# Altium PCB CONTROLLER.PcbDoc (part 4 of 4)
Units mm, origin at the board's own origin, x right, y up, seen from the top; angles counter-clockwise.
Board outline 104 x 83 mm, 6 copper layers (Component Side, Ground Plane (GND), Inner Layer 1, Inner Layer 2, Power Plane (VCC), Solder Side), stack 1.297 mm thick; 390 components, 384 nets, 1561 pads, 757 vias.
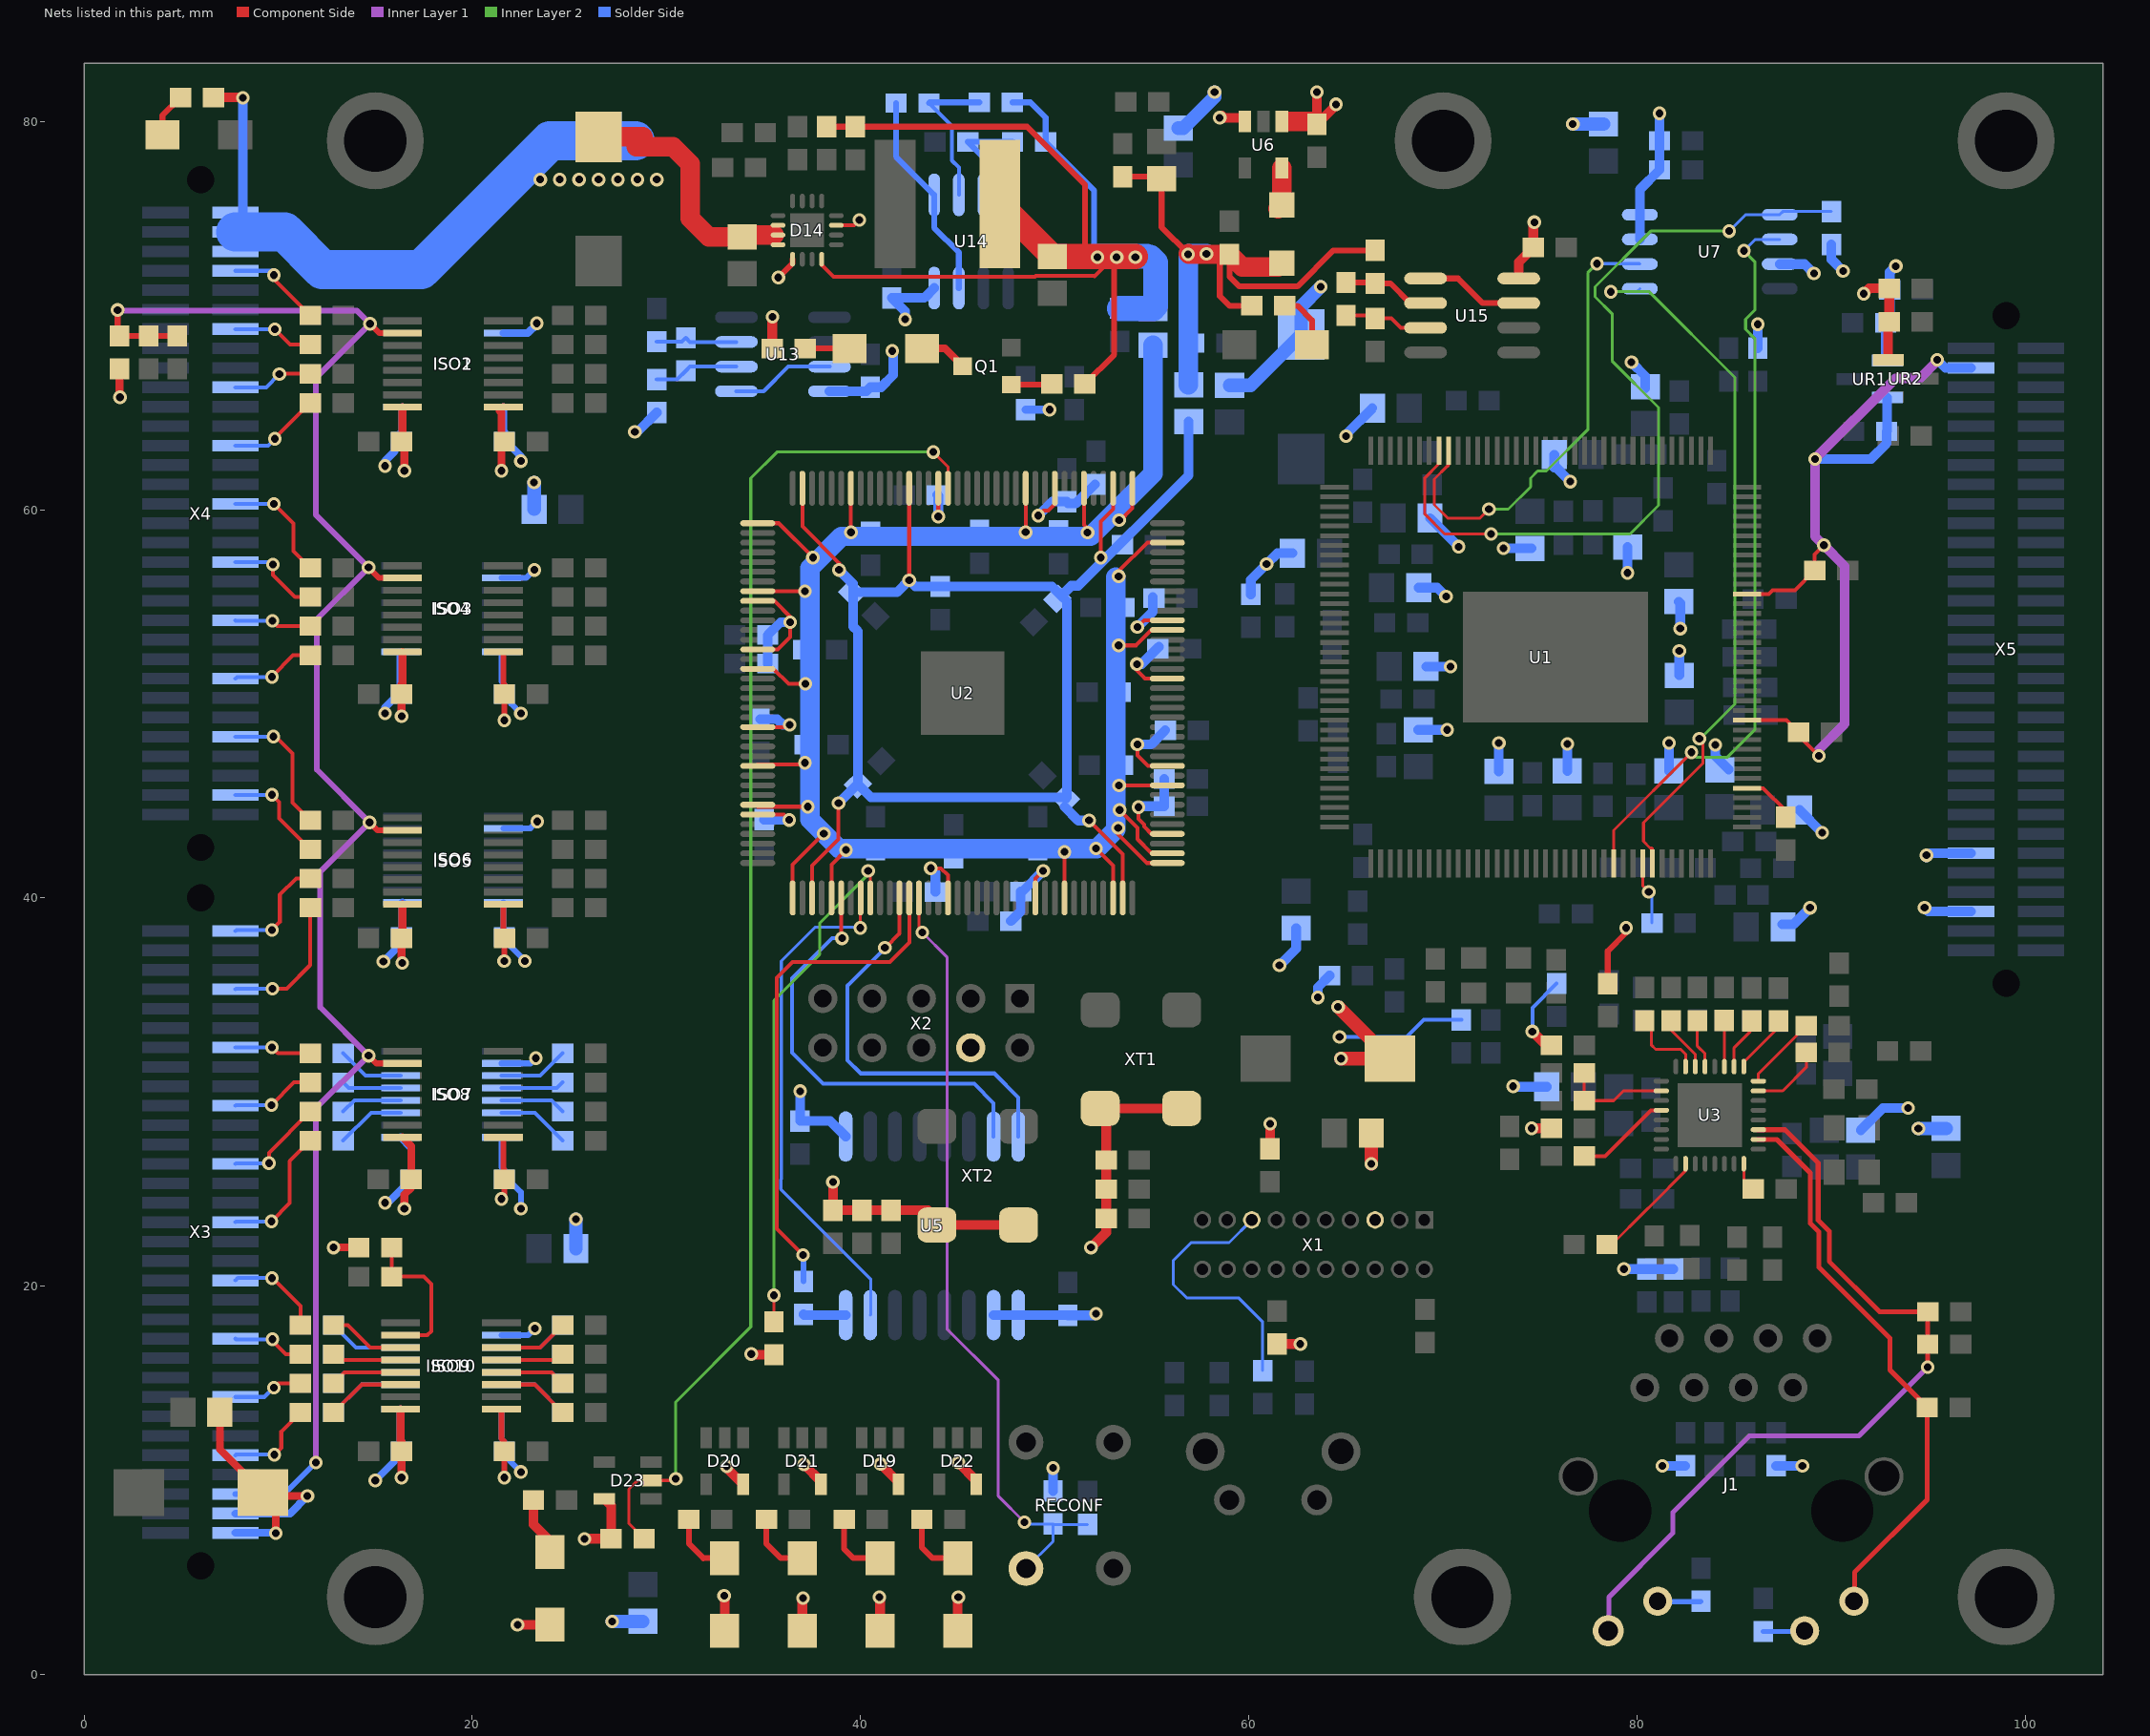
[diagram p8: the nets of this part, all layers, seen from the top]

## Via types
v1: diameter 0.7, hole 0.4, Component Side to Solder Side, tented both sides, 757 vias

## Nets (pads, with @x,y where several pads share a name; then routed paths per layer and width w, separated by ;. In a path a pad name is that pad's centre, name@x,y a point inside that pad or via, vN(x,y) a via of type N, cw(c..) or ccw(c..) an arc to the next point about the centre after c; other vN are vias at no path point) (continued)
NetISO8_3: ISO8.3 R186.1 | length 3.6
  Solder Side w0.2: R186.1@13.35,27.5 14.789,28.94 ISO8.3@16.304,28.94
NetISO8_4: ISO8.4 R188.1 | length 3.2
  Solder Side w0.2: R188.1@13.35,29 13.924,29.575 ISO8.4@16.304,29.575
NetISO8_5: ISO8.5 R190.1 | length 3.1
  Solder Side w0.2: R190.1@13.35,30.5 13.64,30.21 ISO8.5@16.304,30.21
NetISO8_6: ISO8.6 R192.1 | length 3.4
  Solder Side w0.2: R192.1@13.35,32 14.505,30.845 ISO8.6@16.304,30.845
NetISO8_11: ISO8.11 R193.2 | length 3.6
  Solder Side w0.2: ISO8.11@21.504,30.845 23.494,30.845 R193.2@24.65,32
NetISO8_12: ISO8.12 R191.2 | length 3.3
  Solder Side w0.2: ISO8.12@21.504,30.21 24.359,30.21 R191.2@24.65,30.5
NetISO8_13: ISO8.13 R189.2 | length 3.4
  Solder Side w0.2: ISO8.13@21.504,29.575 24.075,29.575 R189.2@24.65,29
NetISO8_14: ISO8.14 R187.2 | length 3.7
  Solder Side w0.2: ISO8.14@21.504,28.94 23.21,28.94 R187.2@24.65,27.5
NetISO9_3: ISO9.3 R129.1 | length 3.7
  Component Side w0.2: ISO9.3@21.504,14.94 23.211,14.94 R129.1@24.65,13.5
NetISO9_4: ISO9.4 R139.1 | length 3.4
  Component Side w0.2: ISO9.4@21.504,15.575 24.076,15.575 R139.1@24.65,15
NetISO9_5: ISO9.5 R141.1 | length 3.3
  Component Side w0.2: ISO9.5@21.504,16.21 24.36,16.21 R141.1@24.65,16.5
NetISO9_6: ISO9.6 R153.1 | length 3.6
  Component Side w0.2: ISO9.6@21.504,16.845 23.495,16.845 R153.1@24.65,18
NetISO9_10: ISO9.10 R152.1 R155.2 | length 7.8
  Component Side w0.2: R152.1@15.85,22 R155.2@15.85,20.5 17.5,20.5 17.882,20.118 17.882,17.678 17.678,17.475 16.308,17.475 ISO9.10@16.304,17.48
NetISO9_11: ISO9.11 R154.2 | length 3.9
  Component Side w0.2: R154.2@12.85,18 13.598,18 14.753,16.845 ISO9.11@16.304,16.845
NetISO9_12: ISO9.12 R151.2 | length 3.6
  Component Side w0.2: R151.2@12.85,16.5 13.141,16.21 ISO9.12@16.304,16.21
NetISO9_13: ISO9.13 R140.2 | length 3.7
  Component Side w0.2: R140.2@12.85,15 13.425,15.575 ISO9.13@16.304,15.575
NetISO9_14: ISO9.14 R138.2 | length 4.1
  Component Side w0.2: R138.2@12.85,13.5 14.29,14.94 ISO9.14@16.304,14.94
NetISO10_3: ISO10.3 R194.1 | length 4.1
  Solder Side w0.2: R194.1@12.85,13.5 14.289,14.94 ISO10.3@16.304,14.94
NetISO10_4: ISO10.4 R196.1 | length 3.7
  Solder Side w0.2: R196.1@12.85,15 13.424,15.575 ISO10.4@16.304,15.575
NetISO10_5: ISO10.5 R198.1 | length 3.6
  Solder Side w0.2: R198.1@12.85,16.5 13.14,16.21 ISO10.5@16.304,16.21
NetISO10_6: ISO10.6 R200.1 | length 3.9
  Solder Side w0.2: R200.1@12.85,18 14.005,16.845 ISO10.6@16.304,16.845
NetISO10_11: ISO10.11 R201.2 | length 3.6
  Solder Side w0.2: ISO10.11@21.504,16.845 23.494,16.845 R201.2@24.65,18
NetISO10_12: ISO10.12 R199.2 | length 3.3
  Solder Side w0.2: ISO10.12@21.504,16.21 24.359,16.21 R199.2@24.65,16.5
NetISO10_13: ISO10.13 R197.2 | length 3.4
  Solder Side w0.2: ISO10.13@21.504,15.575 24.075,15.575 R197.2@24.65,15
NetISO10_14: ISO10.14 R195.2 | length 3.7
  Solder Side w0.2: ISO10.14@21.504,14.94 23.21,14.94 R195.2@24.65,13.5
NetJ1_9: J1.9 R47.1 R48.2 U3.3 | length 41.8
  Component Side w0.25: U3.3@86.24,28.065 87.606,28.065 89.32,26.352 89.32,23.407 89.891,22.836 89.891,21.285 92.485,18.69 R47.1@94.969,18.69 94.969,17.028 R48.2@94.959,17.018 v1(94.959,15.838)
  Inner Layer 1 w0.25: J1.9@78.544,2.231 78.544,3.995 81.839,7.29 81.839,8.357 85.776,12.294 91.415,12.294 v1(94.959,15.838)
NetJ1_10: J1.10 R50.2 | length 2.2
  Solder Side w0.25: J1.10@81.084,3.755 83.269,3.755 R50.2@83.287,3.773
NetJ1_11: J1.11 R49.2 | length 2.2
  Solder Side w0.25: R49.2@86.487,2.223 86.495,2.231 J1.11@88.653,2.231
NetJ1_12: J1.12 R31.2 U3.2 | length 29.5
  Component Side w0.25: U3.2@86.24,27.565 87.192,27.565 88.92,25.838 88.92,23.242 89.357,22.804 89.357,20.98 93.015,17.323 93.015,15.685 R31.2@94.933,13.767 94.933,9.005 91.193,5.265 J1.12@91.193,3.755
NetL26_1: L26.1 U6.5 | length 2.2
  Component Side w1: L26.1@61.5,75.5 L26.1@61.693,75.693 U6.5@61.693,77.597
NetLED2_2: LED2.2 R96.2 | length 2.3
  Component Side w0.3: LED2.2@4.039,79.299 4.039,80.301 R96.2@4.967,81.229
NetLED4_1: LED4.1 Q1.3 | length 2.5
  Component Side w0.4: LED4.1@43.171,68.301 44.343,68.301 Q1.3@45.257,67.386
NetLED4_2: LED4.2 R169.2 | length 2.3
  Component Side w0.3: R169.2@37.147,68.301 LED4.2@39.421,68.301
NetLED5_2: LED5.2 R99.2 | length 3
  Component Side w0.3: R99.2@61.85,70.5 62.5,70.5 63.25,69.75 LED5.2@63.25,68.5
NetLED12_1: LED12.1 R142.2 | length 3.6
  Component Side w0.3: R142.2@39.15,8 39.15,6.468 39.618,6 LED12.1@41,6
NetLED13_1: LED13.1 R143.2 | length 3.4
  Component Side w0.3: R143.2@31.15,8 31.15,6.747 31.902,5.994 31.908,6 LED13.1@33,6
NetLED14_1: LED14.1 R144.2 | length 3.4
  Component Side w0.3: R144.2@35.15,8 35.15,6.735 35.885,6 LED14.1@37,6
NetLED15_1: LED15.1 R145.2 | length 3.5
  Component Side w0.3: R145.2@43.15,8 43.15,6.558 43.708,6 LED15.1@45,6
NetLED16_1: LED16.1 R146.2 | length 3.6
  Component Side w0.5: R146.2@23.15,9 23.15,7.736 24,6.886 LED16.1@24,5.75
NetQ1_1: Q1.1 R170.2 | length 2.1
  Component Side w0.3: Q1.1@47.757,66.436 49.813,66.436 R170.2@49.848,66.472
NetR6_2: R6.2 U1.101 | length 3.3
  Component Side w0.15: U1.101@80.284,41.781 80.284,40.62 v1(80.594,40.31)
  Solder Side w0.15: v1(80.594,40.31) 80.76,40.144 R6.2@80.76,38.71
NetR8_1: R8.1 U1.113 | length 2.8
  Component Side w0.2: U1.113@85.659,45.656 86.487,45.656 87.655,44.487 R8.1@87.655,44.157
NetR25_2: R25.2 U3.7 | length 3.7
  Component Side w0.15: U3.7@86.24,30.065 87.495,30.065 88.706,31.277 R25.2@88.706,32.041
NetR26_2: R26.2 U3.8 | length 3.9
  Component Side w0.15: U3.8@86.24,30.565 86.24,30.946 R26.2@88.706,33.413
NetR32_1: R32.1 U3.32 | length 1.5
  Component Side w0.15: U3.32@85.49,26.315 85.49,25.5 R32.1@85.975,25.015
NetR35_2: R35.2 R36.2 U3.18 | length 5.6
  Component Side w0.15: R35.2@77.274,30.989 R36.2@77.274,29.562 78.787,29.562 79.29,30.065 U3.18@81.24,30.065
NetR39_2: R39.2 U3.20 | length 4.9
  Component Side w0.2: R39.2@77.274,26.707 78.345,26.707 80.703,29.065 U3.20@81.24,29.065
NetR40_2: R40.2 U3.26 | length 6
  Component Side w0.15: R40.2@78.447,22.149 78.689,22.149 80.424,23.883 80.761,24.221 ; 80.761,24.221 82.49,25.949 U3.26@82.49,26.315
NetR54_1: R54.1 X1.15 | length 14
  Solder Side w0.15: X1.15@60.147,23.419 58.979,22.25 57.023,22.25 56.109,21.336 56.109,20.091 56.794,19.406 59.461,19.406 60.706,18.161 R54.1@60.706,15.658
NetR58_2: R58.2 U3.9 | length 3.1
  Component Side w0.15: U3.9@85.49,31.315 85.49,31.54 87.169,33.219 R58.2@87.169,33.68
NetR59_2: R59.2 U3.10 | length 2.7
  Component Side w0.15: U3.10@84.99,31.315 84.99,32.285 85.812,33.107 R59.2@85.812,33.68
NetR60_2: R60.2 U3.11 | length 2.4
  Component Side w0.15: R60.2@84.456,33.68 84.49,33.646 U3.11@84.49,31.315
NetR61_2: R61.2 U3.13 | length 2.5
  Component Side w0.15: R61.2@83.1,33.68 83.1,32.369 83.49,31.979 U3.13@83.49,31.315
NetR62_2: R62.2 U3.14 | length 2.9
  Component Side w0.15: R62.2@81.743,33.68 81.743,33.192 82.99,31.945 U3.14@82.99,31.315
NetR63_2: R63.2 U3.15 | length 4
  Component Side w0.15: R63.2@80.387,33.68 80.721,33.346 80.721,32.436 80.95,32.207 82.245,32.207 82.49,31.963 U3.15@82.49,31.315
NetR80_1: R80.1 U5.8 | length 2.2
  Solder Side w0.5: R80.1@37.059,18.556 37.098,18.516 U5.8@39.229,18.516
NetR117_2: R117.2 R118.1 U13.2 | length 4.4
  Solder Side w0.2: R117.2@29.5,66.7 30.55,66.7 R118.1@31,67.15 31.215,67.365 U13.2@33.6,67.365
NetR118_2: R118.2 R119.1 U13.3 | length 4.3
  Solder Side w0.2: R119.1@29.5,68.65 30.8,68.65 R118.2@31,68.85 31.215,68.635 U13.3@33.6,68.635
NetR121_1: R121.1 U14.1 U14.7 | length 10.9
  Solder Side w0.3: R121.1@41.823,80.941 41.823,78.179 U14.1@43.79,76.212 43.79,74.524 45.06,73.254 U14.7@45.06,71.412
NetR121_2: R121.2 R122.1 U14.2 | length 8
  Solder Side w0.2: R121.2@43.523,80.941 44.704,79.759 44.704,77.978 45.06,77.622 U14.2@45.06,76.212
  Solder Side w0.3: R121.2@43.523,80.941 43.557,80.975 R122.1@46.115,80.975
NetR123_2: R123.2 R159.1 U14.3 | length 5.4
  Solder Side w0.3: U14.3@46.33,76.212 46.33,78.134 R159.1@45.523,78.941 R123.2@47.823,78.941
NetR125_2: R125.2 R126.1 U15.2 | length 4.5
  Component Side w0.3: R126.1@65,71.7 66.45,71.7 R125.2@66.5,71.65 67.288,71.65 68.303,70.635 U15.2@69.1,70.635
NetR126_2: R126.2 R127.1 U15.3 | length 4.4
  Component Side w0.2: R126.2@65,70 66.35,70 R127.1@66.5,69.85 67.335,69.85 67.82,69.365 U15.3@69.1,69.365
NetU13_1: U13.1 U13.7 | length 5.3
  Solder Side w0.2: U13.1@33.6,66.095 35.005,66.095 36.275,67.365 U13.7@38.4,67.365
NetU15_1: U15.1 U15.7 | length 5.3
  Component Side w0.3: U15.1@69.1,71.905 70.767,71.905 72.037,70.635 U15.7@73.9,70.635
OUTENA: C79.1 ISO1.10 ISO3.10 ISO5.10 ISO7.10 R87.2 R156.1 X3.30 | length 96.5
  Component Side w0.3: v1(1.727,70.282) 1.727,69.049 R156.1@1.829,68.947 R87.2@3.327,68.947 C79.1@4.801,68.947 ; v1(14.656,31.877) 15.053,31.48 ISO7.10@16.4,31.48 ; v1(14.656,57.023) 15.199,56.48 ISO3.10@16.4,56.48 ; v1(14.707,43.891) 15.118,43.48 ISO5.10@16.4,43.48 ; v1(14.732,69.571) 15.215,69.088 ISO1.10@16.4,69.088
  Inner Layer 1 w0.3: v1(1.727,70.282) 1.727,70.256 14.046,70.256 v1(14.732,69.571) 11.938,66.777 11.938,59.741 v1(14.656,57.023) 11.989,54.356 11.989,46.609 v1(14.707,43.891) 12.167,41.351 12.167,34.366 v1(14.656,31.877) 11.938,29.159 v1(11.938,10.922)
  Solder Side w0.3: X3.30@7.8,9.3 10.316,9.3 v1(11.938,10.922)
OUTPUT1: R86.1 X4.4 | length 5
  Component Side w0.2: v1(9.779,72.08) 9.779,71.871 R86.1@11.65,70
  Solder Side w0.2: X4.4@7.8,72.3 9.767,72.3 9.779,72.288 v1(9.779,72.08)
OUTPUT2: R76.1 X4.7 | length 4.2
  Component Side w0.2: v1(9.83,69.291) 10.621,68.5 R76.1@11.65,68.5
  Solder Side w0.2: X4.7@7.8,69.3 7.809,69.291 v1(9.83,69.291)
OUTPUT3: R13.1 X4.10 | length 4.1
  Component Side w0.2: v1(10.058,66.98) 10.079,67 R13.1@11.65,67
  Solder Side w0.2: X4.10@7.8,66.3 9.379,66.3 v1(10.058,66.98)
OUTPUT4: R11.1 X4.13 | length 4.8
  Component Side w0.2: v1(9.83,63.652) 9.83,63.68 R11.1@11.65,65.5
  Solder Side w0.2: X4.13@7.8,63.3 9.477,63.3 v1(9.83,63.652)
OUTPUT5: R97.1 X4.16 | length 6.1
  Component Side w0.2: v1(9.779,60.3) 10.795,59.284 10.795,57.855 R97.1@11.65,57
  Solder Side w0.2: X4.16@7.8,60.3 v1(9.779,60.3)
OUTPUT6: R94.1 X4.19 | length 4.9
  Component Side w0.2: v1(9.728,57.175) 9.728,56.642 10.87,55.5 R94.1@11.65,55.5
  Solder Side w0.2: X4.19@7.8,57.3 9.604,57.3 v1(9.728,57.175)
OUTPUT7: R92.1 X4.22 | length 4
  Component Side w0.2: v1(9.703,54.28) 9.703,54.254 9.957,54 R92.1@11.65,54
  Solder Side w0.2: X4.22@7.8,54.3 7.82,54.28 v1(9.703,54.28)
OUTPUT8: R90.1 X4.25 | length 4.4
  Component Side w0.2: v1(9.677,51.384) 9.677,51.41 10.768,52.5 R90.1@11.65,52.5
  Solder Side w0.2: X4.25@7.8,51.3 7.884,51.384 v1(9.677,51.384)
OUTPUT9: R106.1 X4.28 | length 7.1
  Component Side w0.2: v1(9.754,48.311) 9.83,48.311 9.855,48.336 10.744,47.447 10.744,44.906 R106.1@11.65,44
  Solder Side w0.2: X4.28@7.8,48.3 7.811,48.311 v1(9.754,48.311)
OUTPUT10: R104.1 X4.31 | length 5.5
  Component Side w0.2: v1(9.677,45.314) 10.058,44.933 10.058,44.092 R104.1@11.65,42.5
  Solder Side w0.2: X4.31@7.8,45.3 7.814,45.314 v1(9.677,45.314)
OUTPUT11: R102.1 X3.1 | length 5.8
  Component Side w0.2: v1(9.677,38.354) 10.084,38.76 10.084,40.157 10.926,41 R102.1@11.65,41
  Solder Side w0.2: X3.1@7.8,38.3 7.854,38.354 v1(9.677,38.354)
OUTPUT12: R100.1 X3.4 | length 7.3
  Component Side w0.2: v1(9.703,35.331) 10.439,35.331 11.65,36.542 R100.1@11.65,39.5
  Solder Side w0.2: X3.4@7.8,35.3 7.831,35.331 v1(9.703,35.331)
OUTPUT13: R115.1 X3.7 | length 4
  Component Side w0.2: v1(9.677,32.309) 9.986,32 R115.1@11.65,32
  Solder Side w0.2: X3.7@7.8,32.3 7.809,32.309 v1(9.677,32.309)
OUTPUT14: R112.1 X3.10 | length 4.3
  Component Side w0.2: v1(9.652,29.337) 10.815,30.5 R112.1@11.65,30.5
  Solder Side w0.2: X3.10@7.8,29.3 7.837,29.337 v1(9.652,29.337)
OUTPUT15: R110.1 X3.13 | length 5.3
  Component Side w0.2: v1(9.525,26.34) 9.525,26.875 R110.1@11.65,29
  Solder Side w0.2: X3.13@7.8,26.3 7.84,26.34 v1(9.525,26.34)
OUTPUT16: R108.1 X3.16 | length 6.9
  Component Side w0.2: v1(9.652,23.343) 10.592,24.282 10.592,26.442 R108.1@11.65,27.5
  Solder Side w0.2: X3.16@7.8,23.3 7.843,23.343 v1(9.652,23.343)
OUTPUT17: R154.1 X3.19 | length 5
  Component Side w0.2: v1(9.677,20.422) 9.703,20.422 11.15,18.974 R154.1@11.15,18
  Solder Side w0.2: X3.19@7.8,20.3 7.922,20.422 v1(9.677,20.422)
OUTPUT18: R151.1 X3.22 | length 3.7
  Component Side w0.2: v1(9.703,17.272) 9.703,17.196 10.399,16.5 R151.1@11.15,16.5
  Solder Side w0.2: X3.22@7.8,17.3 7.828,17.272 v1(9.703,17.272)
OUTPUT19: R140.1 X3.25 | length 3.6
  Component Side w0.2: v1(9.779,14.783) 9.996,15 R140.1@11.15,15
  Solder Side w0.2: X3.25@7.8,14.3 9.296,14.3 v1(9.779,14.783)
OUTPUT20: R138.1 X3.28 | length 4.7
  Component Side w0.2: v1(9.804,11.328) 10.16,11.684 10.16,12.51 R138.1@11.15,13.5
  Solder Side w0.2: X3.28@7.8,11.3 7.828,11.328 v1(9.804,11.328)
PRG_ASDO: U2.6 U5.15 | length 22.1
  Component Side w0.2: v1@39,38.267 U2.6@39,40
  Solder Side w0.2: v1(39.04,37.922) 38.532,37.922 36.474,35.865 36.474,32.029 38.075,30.429 45.847,30.429 46.849,29.428 U5.15@46.849,27.716
PRG_CONF_DONE: D23.2 R150.1 U2.92 | length 70.8
  Component Side w0.15: R150.1@28.85,7 28.067,7.783 28.067,9.55 28.517,10 D23.2@29.2,10 30.396,10 v1(30.48,10.084) ; v1(43.739,62.967) 44.5,62.205 U2.92@44.5,61.1
  Inner Layer 2 w0.15: v1(30.48,10.084) 30.48,14.046 34.341,17.907 34.341,61.62 35.687,62.967 v1(43.739,62.967)
PRG_DATA0: R80.2 U2.13 | length 26.1
  Component Side w0.2: v1(37.033,21.615) 35.687,22.962 35.687,35.89 36.5,36.703 41.504,36.703 42.51,37.709 42.51,39.99 U2.13@42.5,40
  Solder Side w0.3: v1(37.033,21.615) 37.059,21.59 R80.2@37.059,20.256
PRG_DCLK: U2.12 U5.16 | length 21.1
  Component Side w0.2: v1(41.25,37.44) 41.275,37.44 42,38.165 U2.12@42,40
  Solder Side w0.2: v1(41.25,37.44) 41.25,37.414 39.319,35.484 39.319,31.648 40.005,30.963 46.888,30.963 48.119,29.732 U5.16@48.119,27.716
PRG_NCONFIG: C132.2 R78.1 RECONF.1 U2.14 | length 40.6
  Component Side w0.15: U2.14@43,40 43,38.407 v1(43.18,38.227)
  Inner Layer 1 w0.15: v1(43.18,38.227) 44.45,36.957 44.45,17.805 47.092,15.164 47.092,9.195 v1(48.438,7.849)
  Solder Side w0.15: v1(48.438,7.849) 48.526,7.761 R78.1@49.911,7.761 ; RECONF.1@48.514,5.463 49.911,6.86 R78.1@49.911,7.761 ; C132.2@51.689,7.735 49.936,7.735 R78.1@49.911,7.761
PRG_NCSO: U2.8 U5.7 | length 26.6
  Component Side w0.15: v1(39.98,38.456) 39.98,39.919 40.03,39.97 U2.8@40,40
  Solder Side w0.15: v1(39.98,38.456) 39.938,38.497 37.659,38.497 35.916,36.754 35.916,25.527 35.89,25.502 35.89,24.994 40.513,20.371 40.513,18.53 U5.7@40.499,18.516
PRG_NSTATUS: R77.1 U2.9 | length 27.2
  Component Side w0.15: R77.1@35.535,18.173 v1(35.535,19.533) ; v1(40.386,41.402) 40.411,41.402 40.5,41.491 U2.9@40.5,40
  Inner Layer 2 w0.15: v1(35.535,19.533) 35.535,34.722 37.897,37.084 37.897,38.71 40.589,41.402 v1(40.386,41.402)
SPICLK/SSI0CLK: U1.28 U7.6 | length 24.4
  Component Side w0.15: U1.28@70.284,63.031 70.284,62.283 70.247,62.246 70.221,62.246 69.545,61.57 69.545,60.249 70.231,59.563 71.907,59.563 v1(72.365,60.02)
  Inner Layer 2 w0.15: v1(72.365,60.02) 73.355,60.02 74.508,61.173 74.508,61.625 74.874,61.991 75.326,61.991 77.47,64.135 77.47,67.645 77.455,67.661 77.455,72.197 v1(77.927,72.669)
  Solder Side w0.15: v1(77.927,72.669) 80.115,72.669 U7.6@80.136,72.649
SPISIMO/SSI0TX: U1.102 U7.5 | length 37.2
  Component Side w0.15: U1.102@80.784,41.781 80.784,42.542 80.747,42.58 80.661,42.58 80.324,42.916 80.324,43.875 83.375,46.926 83.375,48.025 v1(83.2,48.2)
  Inner Layer 2 w0.15: v1(78.638,71.222) 80.614,71.222 85.029,66.807 85.029,49.982 83.2,48.153 v1(83.2,48.2)
  Solder Side w0.15: v1(78.638,71.222) 79.979,71.222 U7.5@80.136,71.379
SPISOMI/SSI0RX: U1.98 U7.2 | length 38.7
  Component Side w0.15: U1.98@78.784,41.781 78.784,43.484 v1(82.8,47.5)
  Inner Layer 2 w0.15: v1(82.8,47.5) 83.046,47.254 84.654,47.254 86.055,48.655 86.055,68.814 85.583,69.286 85.583,69.804 86.055,70.277 86.055,72.771 v1(85.496,73.33)
  Solder Side w0.15: v1(85.496,73.33) 86.085,73.919 U7.2@87.336,73.919
SPISTEA/SSI0FSS: R64.1 U1.29 U7.1 | length 43
  Component Side w0.15: U1.29@69.784,63.031 69.784,62.357 69.063,61.636 69.063,59.766 70.079,58.75 v1(72.466,58.75)
  Inner Layer 2 w0.15: v1(72.466,58.75) 79.629,58.75 81.102,60.223 81.102,65.263 78.705,67.661 78.705,70.089 77.831,70.962 77.831,71.481 80.696,74.346 v1(84.734,74.346)
  Solder Side w0.15: v1(84.734,74.346) 85.577,75.189 U7.1@87.336,75.189 87.497,75.35 R64.1@90,75.35
VCC5V: C77.1 C78.2 C148.2 C154.2 C155.2 C156.2 C157.2 C161.1 C162.1 C163.1 C164.1 C165.1 ISO1.16 ISO2.1 ISO3.16 ISO4.1 ISO5.16 ISO6.1 ISO7.16 ISO8.1 ISO9.16 ISO10.1 R152.2 R156.2 X3.31 X3.32 | length 55.8
  Component Side w0.4: R156.2@1.829,67.247 1.829,65.811 v1(1.854,65.786) ; C78.2@6.995,13.513 6.995,11.597 C77.1@9.22,9.373 ; v1(9.881,7.29) 9.881,8.712 C77.1@9.398,9.195 ; C77.1@10.083,10.236 C77.1@9.22,9.373 ; v1(11.506,9.195) C77.1@9.398,9.195 ; v1(12.852,21.996) 12.856,22 R152.2@14.15,22 ; ISO9.16@16.304,13.67 16.304,12.046 16.35,12 C157.2@16.35,11.5 v1(16.35,10.15) ; C154.2@16.35,51 C154.2@16.35,50.5 16.35,49.36 v1(16.358,49.352) ; v1(16.383,36.652) 16.35,36.685 16.35,38 16.4,38.05 ISO5.16@16.4,39.67 ; ISO7.16@16.4,27.67 16.85,27.219 C156.2@16.85,25.5 16.85,25.08 16.5,24.73 v1(16.5,24) ; 16.4,51.05 ISO3.16@16.4,52.67 ; ISO1.16@16.4,65.278 16.4,63.55 C148.2@16.35,63.5 16.51,63.34 16.5,63.33 v1(16.5,62) ; C77.1@9.22,9.373 C77.1@9.398,9.195
  Solder Side w0.4: X3.32@7.8,7.3 9.87,7.3 v1(9.881,7.29) ; X3.31@7.8,8.3 10.611,8.3 v1(11.506,9.195) ; v1(15,10) 16.35,11.35 C165.1@16.35,11.5 16.35,12 16.304,12.046 ISO10.1@16.304,13.67 ; v1(15.418,36.728) 16.35,37.661 C163.1@16.35,38 16.4,38.05 ISO6.1@16.4,39.777 ; v1(15.5,24.305) 15.655,24.305 C164.1@16.85,25.5 16.85,27.124 ISO8.1@16.304,27.67 ; v1(15.5,49.5) 15.5,49.815 16.35,50.665 16.35,51 16.304,51.046 ISO4.1@16.304,52.67 ; v1(15.5,62.25) 15.5,62.5 16,63 16,63.32 16.35,63.67 16.35,64 16.4,64.05 ISO2.1@16.4,65.277
VCCAPLL: C86.2 C87.2 C88.2 C92.2 C117.2 C121.2 L25.2 U2.3 U2.35 U2.75 U2.96 U2.107 | length 82.9
  Component Side w0.2: U2.107@37,61.1 37,59.139 38.887,57.252 v1(38.887,56.896) ; U2.3@37.5,40 37.5,41.666 38.862,43.028 v1(38.862,44.882) ; v1(42.5,56.368) U2.96@42.5,61.1 ; v1(51.765,43.993) 53.5,42.258 U2.35@53.5,40 ; v1(52.375,57.531) 52.36,57.546 52.36,59.396 53,60.036 U2.75@53,61.1
  Solder Side w0.5: v1(38.862,44.882) 39.836,45.856 C86.2@39.861,45.856 ; v1(38.887,56.896) 39.607,56.176 C87.2@39.607,55.744 ; C92.2@50.508,44.691 51.206,43.993 v1(51.765,43.993) ; L25.2@56.896,64.531 56.896,61.773 51.206,56.083 50.851,56.083 C117.2@50.334,55.567 ; C87.2@39.607,55.744 39.607,53.992 39.861,53.738 C86.2@39.861,45.856 ; C87.2@39.607,55.744 41.876,55.744 v1(42.5,56.368) 42.824,56.044 C88.2@44.094,56.044 49.857,56.044 C117.2@50.334,55.567 ; C86.2@39.861,45.856 40.538,45.179 50.503,45.179 C92.2@50.563,45.119 50.622,45.178 50.622,55.279 C117.2@50.334,55.567
VCCINT_FPGA: C72.1 C80.2 C81.2 C82.2 C83.2 C84.2 C85.2 C89.1 C98.2 C100.2 C101.2 L36.2 U2.1 U2.5 U2.29 U2.34 U2.37 U2.38 U2.45 U2.61 U2.70 U2.73 U2.78 U2.84 U2.102 U2.109 U2.116 U2.124 U2.134 U2.138 | length 120
  Component Side w0.2: U2.138@34.7,44.8 34.7,44.7 v1(37.283,44.7) ; U2.134@34.7,46.8 34.7,46.875 37.045,46.875 v1(37.135,46.965) ; U2.124@34.7,51.8 35.516,51.8 36.287,51.029 v1(37.16,51.029) ; U2.116@34.7,55.8 v1(37.131,55.8) ; U2.109@34.7,59.3 35.772,59.3 v1(37.541,57.531) ; U2.1@36.5,40 36.5,41.707 v1(38.1,43.307) ; U2.5@38.5,40 38.5,41.726 v1(39.243,42.469) ; v1(39.5,58.829) U2.102@39.5,61.1 ; v1(48.5,58.838) U2.84@48.5,61.1 ; U2.29@50.5,40 v1(50.5,42.372) ; U2.78@51.5,61.1 51.5,59.219 51.714,59.004 51.689,58.979 v1(51.689,58.826) ; v1(52.121,42.545) 53,41.666 U2.34@53,40 ; v1(53.264,43.612) 53.264,43.282 54.745,41.8 U2.37@55.8,41.8 ; v1(53.289,53.01) 54.194,53.01 54.984,53.8 U2.61@55.8,53.8 ; v1(53.289,56.566) 53.289,56.82 54.769,58.3 U2.70@55.8,58.3 ; v1(53.311,45.8) U2.45@55.8,45.8 ; v1(53.315,59.461) 53.315,59.385 54,60.071 U2.73@54,61.1 ; v1(53.34,44.526) 54.254,43.612 54.254,43.03 54.984,42.3 U2.38@55.8,42.3
  Solder Side w1: v1@53.137,56.515 53.137,43.51 52.172,42.545 38.887,42.545 37.389,44.044 37.389,56.998 39.014,58.623 51.841,58.623 55.067,61.849 L36.2@55.067,68.468
VDD1V2: C114.2 C127.2 D14.16 L35.2 L36.1 R83.2 R84.2 R122.2 R123.1 R170.1 | length 66.9
  Component Side w0.2: D14.16@37.995,72.894 37.995,72.596 38.608,71.984 48.98,71.984 49.032,72.035 50.739,72.035 52.047,72.035 52.054,72.028 v1@53.061,73.035
  Component Side w0.3: R83.2@38.245,79.723 48.573,79.723 51.562,76.733 51.562,73.061 51.537,73.035 ; R170.1@51.548,66.472 53.061,67.984 v1@53.061,73.035
  Component Side w1.3: L35.2@47.175,75.743 47.178,75.743 C127.2@49.886,73.035 51.537,73.035 53.061,73.035 v1@54.153,73.035
  Solder Side w0.3: R122.2@47.815,80.975 48.743,80.975 49.53,80.188 49.53,78.948 R123.1@49.523,78.941 52.019,76.444 v1@52.019,73.05
  Solder Side w1.3: v1@52.019,73.05 54.737,73.05 ; C114.2@53.34,70.37 55.066,70.37 L36.1@55.067,70.368 ; 54.915,73 55.194,72.72 L36.1@55.194,70.51
  other v1: 52.197,73 53.188,73 54.153,73
VDD2V5: C120.2 C122.2 C124.2 L25.1 L26.2 R81.2 R99.1 R125.1 | length 32.9
  Component Side w0.3: R81.2@53.5,77.15 55.4,77.15 C122.2@55.5,77.05 55.5,74.548 v1@56.871,73.177 ; R99.1@60.15,70.5 59,70.5 58.5,71 58.5,72.65 C124.2@59,73.15 59,72 59.5,71.5 62.5,71.5 64.35,73.35 R125.1@66.5,73.35
  Component Side w1: v1@56.871,73.177 56.898,73.15 C124.2@59,73.15 59.65,72.5 L26.2@61.5,72.5
  Solder Side w1: L25.1@56.871,66.431 v1(56.871,73.152) 56.896,73.177 v1(57.81,73.177)
VDD3V3: C45.1 C65.1 C66.1 C68.2 C69.2 C70.2 C71.2 C73.2 C76.2 C91.1 C93.2 C94.1 C95.1 C96.2 C97.2 C99.2 C102.2 C103.2 C104.2 C107.2 C110.2 C111.1 C112.1 C113.2 C115.2 C116.2 C123.2 C126.2 C129.1 C130.1 C133.1 C134.1 C135.1 C136.1 C137.2 C138.2 C139.2 C140.2 C141.2 C142.2 C143.2 C144.2 C169.2 C170.2 C171.2 C172.2 C173.2 C177.1 C178.1 C179.1 C180.1 C181.1 C186.2 C225.2 C226.2 C227.2 D14.3 D14.10 D14.11 D14.12 D14.13 D19.5 D20.5 D21.5 D22.5 D23.5 ISO1.1 ISO2.10 ISO2.16 ISO3.1 ISO4.10 ISO4.16 ISO5.1 ISO6.10 ISO6.16 ISO7.1 ISO8.10 ISO8.16 ISO9.1 ISO10.10 ISO10.16 L1.2 L2.1 L3.1 L4.2 L5.2 L6.2 L8.1 L9.1 L10.2 L11.2 L12.2 L13.2 L14.2 L15.2 L16.2 L17.2 L18.2 L19.2 L20.2 L21.2 L22.2 LED12.2 LED13.2 LED14.2 LED15.2 LED16.2 R33.1 R34.1 R37.1 R41.2 R42.2 R43.2 R44.2 R52.2 R55.1 R56.1 R64.2 R77.2 R78.2 R96.1 R117.1 R130.1 R132.1 R134.1 R136.1 R150.2 R157.2 R169.1 U2.17 U2.26 U2.40 U2.47 U2.56 U2.62 U2.81 U2.93 U2.117 U2.122 U2.130 U2.139 U5.1 U5.2 U5.9 U6.1 U6.3 U7.3 U7.7 U7.8 U13.8 U14.8 U15.8 UR1.1 UR2.1 X1.5 X2.4 X4.1 X4.2 X4.3 X5.3 X5.6 XT1.1 XT1.4 XT2.1 XT2.4 | length 330.3
  Component Side w0.2: U2.139@34.7,44.3 36.04,44.3 v1(36.322,44.018) ; U2.130@34.7,48.8 36.227,48.8 v1(36.347,48.92) ; U2.122@34.7,52.8 35.731,52.8 36.373,53.442 v1(36.373,54.204) 36.373,54.483 35.556,55.3 U2.117@34.7,55.3 ; D14.3@38.745,74.644 39.653,74.644 v1(39.929,74.92) ; v1(43.612,41.529) 44.145,41.529 44.5,41.174 U2.17@44.5,40 ; v1(44,59.646) U2.93@44,61.1 ; U2.26@49,40 49,40.999 v1(49.403,41.402) ; v1(49.149,59.69) 49.409,59.95 49.666,59.95 50,60.284 U2.81@50,61.1 U2.81@50,61.709 ; v1(54.229,52.045) 54.229,51.714 54.643,51.3 U2.56@55.8,51.3 ; v1(54.254,47.904) 54.254,47.346 54.8,46.8 U2.47@55.8,46.8 ; v1(54.254,53.95) 54.605,54.3 U2.62@55.8,54.3 ; v1(54.305,44.679) 54.305,44.069 54.604,43.77 54.604,43.68 54.984,43.3 U2.40@55.8,43.3
  Component Side w0.3: v1(21.5,24.5) 21.65,24.65 21.65,26 21.6,26.05 ISO7.1@21.6,27.67 ; ISO9.1@21.504,13.67 21.504,12.146 21.65,12 v1(21.65,10.15) ; ISO5.1@21.6,39.67 21.6,38.05 21.65,38 21.65,36.763 v1(21.641,36.754) ; ISO3.1@21.6,52.67 21.6,51.05 21.65,51 v1(21.65,49.15) ; v1(35.763,71.958) 36.495,72.69 D14.13@36.495,72.894 ; R33.1@78.482,35.583 78.482,37.258 79.426,38.202 v1(79.426,38.456)
  Component Side w0.4: v1(21.5,62) 21.5,65 21.411,65.089 ISO1.1@21.6,65.278
  Component Side w0.5: R96.1@6.667,81.229 8.153,81.229 v1(8.179,81.204) ; v1(22.329,2.568) LED16.2@24,2.568 ; v1(25.781,6.985) 25.796,7 R150.2@27.15,7 27.15,8.7 D23.5@26.8,9.05 ; v1(32.969,4.064) 33,4.033 LED13.2@33,2.25 ; v1(33.096,10.719) 33.096,10.654 D20.5@33.95,9.8 ; v1(34.366,16.51) 34.403,16.473 R77.2@35.535,16.473 ; R169.1@35.447,68.301 35.447,69.914 v1(35.458,69.926) ; LED14.2@37,2.25 37,3.904 v1(37.033,3.937) ; v1(37.084,10.82) 37.95,9.954 D21.5@37.95,9.8 ; v1(38.574,25.366) C68.2@38.574,23.914 C69.2@40.074,23.914 C70.2@41.574,23.914 43.466,23.914 XT2.4@44.221,23.159 ; v1(40.97,3.988) 41,3.958 LED12.2@41,2.25 ; v1(41.021,10.846) 41.95,9.917 D19.5@41.95,9.8 ; XT2.4@43.65,22.877 XT2.4@43.932,23.159 XT2.4@44.221,23.159 ; LED15.2@45,2.25 45,3.954 v1(45.034,3.988) ; v1(45.034,10.922) 45.95,10.006 D22.5@45.95,9.8 ; XT2.1@48.132,23.159 XT2.4@44.221,23.159 ; v1(51.867,21.996) 52.65,22.78 C71.2@52.65,23.5 C73.2@52.65,25 C76.2@52.65,26.5 52.65,28.85 XT1.4@52.34,29.159 XT1.1@56.54,29.159 ; v1@58.598,80.287 v1(58.496,80.185) 59.605,80.185 U6.3@59.793,79.997 ; R55.1@61.087,27.088 v1(61.087,28.372) ; R56.1@61.443,17.032 v1(62.65,17.032) ; C123.2@63.353,79.997 C123.2@63.5,79.85 ; v1(63.5,81.5) C123.2@63.5,79.85 ; v1(64.491,80.874) 64.491,80.841 C123.2@63.5,79.85 ; U15.8@73.9,71.905 73.9,72.75 C227.2@74.65,73.5 74.65,74.752 v1(74.701,74.803) ; v1(74.558,28.134) R37.1@75.574,28.134 ; v1(74.6,33.122) 75.304,32.417 R34.1@75.574,32.417 ; v1(91.669,71.12) 91.948,71.399 C66.1@92.978,71.399 C65.1@92.978,69.672 92.928,69.622 UR2.1@92.928,67.701
  Component Side w0.7: v1(64.592,34.392) C136.1@67.259,31.725 v1(64.745,31.725) ; v1(66.304,26.304) C144.2@66.304,27.889
  Component Side w1: C135.1@26.5,79.2 28.8,79.2 ; 28.448,78.689 30.328,78.689 31.217,77.8 31.217,75.006 32.179,74.044 C126.2@33.895,74.044 33.995,74.144 D14.11@35.545,74.144 ; 62.027,79.985 63.365,79.985 C123.2@63.5,79.85
  Solder Side w0.2: v1(64.668,32.842) 68.123,32.842 68.998,33.718 R130.1@70.942,33.718 ; v1(74.6,33.122) 74.6,34.353 R132.1@75.844,35.597
  Solder Side w0.3: ISO10.16@21.504,13.67 21.504,12.146 21.65,12 21.65,11.288 v1(22.5,10.438) ; ISO10.10@21.504,17.48 22.864,17.48 v1(23.216,17.831) ; ISO8.16@21.504,27.67 21.504,26.146 21.65,26 21.65,25.696 22.5,24.846 v1(22.5,24) ; ISO8.10@21.504,31.48 22.996,31.48 v1(23.266,31.75) ; ISO4.16@21.504,52.67 21.504,51.146 21.65,51 21.65,50.726 22,50.376 22,50 v1(22.5,49.5) ; ISO4.10@21.504,56.48 22.774,56.48 v1(23.19,56.896) ; ISO6.16@21.6,39.777 21.6,38.05 C171.2@21.65,38 21.65,37.811 v1(22.708,36.754) ; ISO6.10@21.6,43.587 22.988,43.587 v1(23.343,43.942)
  Solder Side w0.4: ISO2.16@21.6,65.277 21.6,64.05 21.65,64 21.65,63.592 22.5,62.742 v1(22.5,62.5) ; ISO2.10@21.6,69.087 22.859,69.087 23.317,69.545 v1(23.317,69.596) ; R157.2@48.5,65.15 v1(49.732,65.15)
  Solder Side w0.5: X4.2@7.8,74.3 8.179,74.679 v1(8.179,81.204) ; v1(28.372,64.008) 28.508,64.008 R117.1@29.5,65 ; C112.1@34.823,49.212 35.701,49.212 35.992,48.92 v1(36.347,48.92) ; C107.2@35.027,44.03 36.31,44.03 v1(36.322,44.018) ; C113.2@35.216,52.07 C102.2@35.216,53.543 35.877,54.204 v1(36.373,54.204) ; v1(36.881,30.048) C115.2@36.881,28.511 38.434,28.511 U5.9@39.229,27.716 ; U13.8@38.4,66.095 40.295,66.095 C225.2@40.5,66.3 41.052,66.3 41.681,66.929 41.681,68.123 v1(41.631,68.174) ; v1(42.291,69.799) 42.291,70.219 C226.2@41.605,70.905 43.282,70.905 U14.8@43.79,71.412 ; v1(43.612,41.529) 43.852,41.289 C110.2@43.852,40.31 ; C103.2@43.954,60.757 44,60.711 v1(44,59.646) ; U5.2@46.849,18.516 U5.1@48.119,18.516 50.662,18.516 C116.2@50.673,18.505 52.033,18.505 v1(52.121,18.593) ; C93.2@47.738,38.811 48.246,39.319 C99.2@48.246,40.335 48.336,40.335 v1(49.403,41.402) ; v1(49.149,59.69) 49.874,60.415 C104.2@50.622,60.415 ; R78.2@49.911,9.461 v1(49.911,10.643) ; C104.2@50.673,60.313 51.079,60.313 C97.2@52.07,61.304 ; v1(54.229,52.045) 54.471,52.045 C111.1@55.36,52.934 ; v1(54.254,47.904) 54.954,47.904 C95.1@55.69,48.641 ; v1(54.254,53.95) 55.055,54.751 C91.1@55.055,55.499 ; v1(54.305,44.679) 54.356,44.729 C94.1@55.64,44.729 C96.2@55.64,46.126 ; R134.1@60.096,55.638 60.096,56.388 v1(60.909,57.201) 61.468,57.76 L17.2@62.245,57.76 ; v1(61.57,36.525) 62.433,37.389 L1.2@62.433,38.445 ; v1(63.551,34.874) 63.551,35.401 R136.1@64.15,36 ; v1(64.999,63.779) 64.999,63.866 L16.2@66.36,65.227 ; L11.2@68.712,48.655 v1(70.217,48.655) ; L15.2@68.743,55.982 69.698,55.982 v1(70.155,55.524) ; L14.2@69.124,51.918 v1(70.383,51.918) ; L18.2@69.327,59.563 v1(70.8,58.09) ; L19.2@72.873,46.518 v1(72.873,47.981) ; v1(73.111,58.003) L13.2@74.549,58.003 ; v1(73.609,30.302) 73.639,30.273 L9.1@75.334,30.273 ; L12.2@75.726,62.17 L12.2@75.726,62.272 ; L12.2@75.726,62.83 L12.2@75.726,62.272 ; L20.2@76.403,46.543 v1(76.403,47.93) ; v1(76.556,61.443) L12.2@75.726,62.272 ; v1(79.316,20.887) R42.2@80.5,20.887 80.504,20.891 R44.2@81.864,20.891 ; v1(79.502,56.744) L4.2@79.502,58.08 ; v1(79.705,67.589) 80.41,66.885 L10.2@80.41,66.244 ; U7.7@80.136,73.919 U7.8@80.136,75.189 80.136,76.486 C129.1@81.15,77.5 C130.1@81.15,79 v1(81.15,80.413) ; v1(81.29,10.754) R41.2@82.481,10.754 ; L21.2@81.636,46.543 v1(81.636,47.981) ; L2.1@82.144,55.26 82.22,55.184 v1(82.22,53.873) ; L3.1@82.169,51.471 v1(82.169,52.73) ; v1(84.023,47.879) 84.023,47.305 L5.2@84.709,46.619 ; R52.2@86.208,68.312 v1(86.208,69.545) ; R43.2@87.154,10.754 v1(88.509,10.754) ; U7.3@87.336,72.649 88.616,72.649 v1(89.103,72.161) ; L22.2@87.468,38.637 88.04,38.637 v1(88.9,39.497) ; L6.2@88.357,44.53 v1(89.529,43.358) ; R64.2@90,73.65 90,72.89 v1(90.602,72.288) ; L8.1@91.512,28.038 92.659,29.185 v1(93.955,29.185) ; UR1.1@92.873,67.676 92.798,67.751 C186.2@92.798,69.621 93.003,69.826 C45.1@93.003,71.323 93.003,72.226 v1(93.32,72.542) ; v1(94.8,39.5) 95,39.3 X5.3@97.2,39.3 ; v1(94.9,42.2) 94.9,42.1 95.1,42.3 X5.6@97.2,42.3
  Solder Side w0.7: C142.2@23.18,60.02 v1(23.18,61.402) ; C137.2@25.334,21.946 v1(25.334,23.454) ; v1(27.203,2.743) C140.2@28.778,2.743 ; C138.2@56.363,79.649 56.62,79.649 58.229,81.258 v1(58.229,81.509) ; C143.2@59.004,66.406 60.082,66.406 C134.1@62.687,69.011 62.687,70.46 v1(63.703,71.476) ; v1(76.683,79.858) C141.2@78.257,79.858 ; v1(94.478,28.128) C139.2@95.91,28.128
  Solder Side w2: X4.2@7.8,74.3 10.333,74.3 12.268,72.365 17.365,72.365 24,79 28.397,79
  other v1: 23.5,77 24.5,77 25.5,77 26.5,77 27.5,77 28.5,77 29.5,77
VREF2V5: C29.2 C31.2 C188.2 U1.120 U1.133 UR1.2 X5.31 | length 43.3
  Component Side w0.2: U1.120@85.659,49.156 87.688,49.156 C29.2@88.304,48.539 88.304,48.373 v1(89.357,47.32) ; U1.133@85.659,55.656 86.771,55.656 86.97,55.855 88.126,55.855 C31.2@89.142,56.871 89.142,57.697 v1(89.611,58.166)
  Inner Layer 1 w0.5: v1(89.357,47.32) 89.357,47.639 90.678,48.96 90.678,57.099 v1(89.611,58.166) 89.154,58.623 v1(89.154,62.611) 93.294,66.751 94.553,66.751 95.453,67.652 v1(95.453,67.716)
  Solder Side w0.5: v1(89.154,62.611) 92.05,62.611 92.849,63.41 C188.2@92.849,64.033 92.873,64.058 UR1.2@92.873,65.776 ; v1(95.453,67.716) 95.87,67.3 X5.31@97.2,67.3
pads on no net: D19.1 D20.1 D21.1 D22.1 D23.1 ISO1.7 ISO2.7 ISO3.7 ISO4.7 ISO5.7 ISO6.7 ISO7.7 ISO8.7 ISO9.7 ISO10.7 J1.0 J1.7 RECONF.2 RESET.NC RESET.NC_1 U1.16 U1.21 U1.91 U2.10 U2.11 U5.3 U5.4 U5.5 U5.6 U5.11 U5.12 U5.13 U5.14 X1.6 X1.17 X1.18 X1.19 X2.6 X2.7 X2.8 X3.0 X4.0 X5.0 X5.27 X5.28 X5.29 X5.30

## Polygon pours and split planes (outlines as drawn)
DGND on Solder Side "DGND_EPAD_CPU_BOT" (solid, remove dead copper, pour order 6): 71.202,55.639 80.302,55.639 80.302,49.239 71.202,49.239
DGND on Solder Side "ENETDGND" (solid, pour order 2): 81,31.191 81,27 88,27 88,31.191
ENET_VDDA on Solder Side "ENETVDDA" (solid, pour order 0): 81,26.5 92.5,26.5 92.5,23.5 81,23.5
VCCAPLL on Solder Side "VCCA" (solid, pour order 4): 39.5,56 49.901,56 50.622,55.279 50.622,45.178 40.322,45.178 39.5,46
DGND on Solder Side "DGND FPGA BOT" (solid, pour order 8): 42.5,53.5 42.5,48 48,48 48,53.5
VCCINT_FPGA on Solder Side "VCCINT FPGA BOT" (solid, pour order 10): 37,59 37,42 53.5,42 53.5,59
AGND on Ground Plane (GND) (split plane): 103.49,43.052 90.985,43.052 89.993,44.044 86.942,47.094 86.942,56.159 86.942,66.799 93.272,73.128 103.49,73.128
DGND on Ground Plane (GND) (split plane): 95,76 103.49,76 103.49,73.633 93.167,73.633 93.102,73.624 93.059,73.606 93.041,73.599 93.018,73.582 92.989,73.559 86.512,67.082 86.472,67.03 86.447,66.969 86.438,66.904 86.438,56.159 86.438,46.99 86.447,46.925 86.472,46.864 86.512,46.812 89.636,43.687 90.702,42.622 90.725,42.604 90.754,42.582 90.815,42.556 90.88,42.548 103.49,42.548 103.49,8 96,8 96,0.51 74,0.51 74,8 68,8 68,0.51 21,0.51 21,82.49 66,82.49 66,76 74,76 74,82.49 95,82.49
EXT_GND on Ground Plane (GND) (split plane): 11,76 17,76 17,7 12,7 12,0.51 0.51,0.51 0.51,82.49 11,82.49
VDD3V3 on Power Plane (VCC) (split plane): 95,76 103.49,76 103.49,8 96,8 96,0.51 74,0.51 74,8 68,8 68,0.51 21,0.51 21,82.49 66,82.49 66,76 74,76 74,82.49 95,82.49
VCC5V on Power Plane (VCC) (split plane): 11,76 17,76 17,7 12,7 12,0.51 0.51,0.51 0.51,82.49 11,82.49

## Keep-outs
Keep-Out Layer:
  circle w0.2: c71,4 r5
  circle w0.2: c70,79 r5
  circle w0.2: c15,4 r5
  circle w0.2: c15,79 r5
  circle w0.2: c99,79 r5
  circle w0.2: c99,4 r5
  lines w1: 0,0 0,83 104,83 104,0 0,0

## Other copper
Component Side:
  rectangle net DGND: 1,72.5 3,76
  rectangle net DGND: 23.5,72 30,75.5
  rectangle net VDD3V3: 23,76.5 30,80
Solder Side:
  rectangle net VDD3V3: 6.604,73.025 8.992,75.59
  rectangle net VDD3V3: 23,76.5 30,80
  rectangle net DGND: 23.5,72.5 29.5,75.5
  rectangle net DGND: 1,72.974 5.359,75.641
Ground Plane (GND) (plane layer: these items are gaps in the copper):
  rectangle: 17,0 21,83
  rectangle: 12,0 18,7
  rectangle: 68,0 74,8
  rectangle: 96,0 104,8
  rectangle: 95,76 104,83
  rectangle: 66,76 74,83
  rectangle: 11,76 19,83
  lines w0.5: 103.505,73.381 93.167,73.381 86.69,66.904 86.69,56.159 86.69,46.99 89.814,43.866 90.88,42.8 103.746,42.8 103.923,42.977
Power Plane (VCC) (plane layer: these items are gaps in the copper):
  rectangle: 36,73.5 38.5,75.5
  rectangle: 17,0 21,83
  rectangle: 12,0 19,7
  rectangle: 68,0 74,8
  rectangle: 96,0 104,8
  rectangle: 95,76 104,83
  rectangle: 66,76 74,83
  rectangle: 11,76 19,83

## Silkscreen, mask and mechanical layers (free items; w line width, h text height)
Top Overlay:
  lines w0.254: 10.893,1.148 cw(c15,4) 19.093,1.128 ; 11.247,82.314 ccw(c15,79) 18.6,82.479 ; 66.37,82.372 ccw(c70,79) 73.927,82.021 ; 66.946,1.044 cw(c71,4) 74.854,0.787 ; 95.107,0.839 cw(c99,4) 103.556,6.096 ; 95.199,82.194 ccw(c99,79) 102.997,76.054
  text "PCONM 03.002" at 75.833,78.589 h1.52
  text "PMCB" at 75.782,75.186 h5 r359.89
  text "3.3V" at 3.912,74.422 h1.52
  text "1.2V" at 37.338,65.354 h1.52
  text "2.5V" at 58.801,65.227 h1.52
  text "ANALOG INPUT" at 101.293,44.159 h1.52 r90
  text "DIGITAL IO" at 4.674,34.95 h1.52 r90
  text "FPGA" at 29.337,34.265 h1.52
  text "JTAG" at 29.464,31.674 h1.52
  text "CPU" at 62.941,24.867 h1.52
  text "JTAG" at 62.281,17.958 h1.52
  text "L4" at 46.304,1.778 h1
  text "CONF" at 25.4,1.676 h1
  text "L2" at 38.125,1.676 h1
  text "L3" at 42.215,1.676 h1
  text "L1" at 34.239,1.626 h1
Top Solder:
  rectangle: 35.331,72.39 39.218,76.352
  rectangle: 28.524,8.585 29.921,11.405
  rectangle: 43.637,11.506 46.38,12.878
  rectangle: 39.573,11.506 42.393,12.878
  rectangle: 35.585,11.481 38.43,12.878
  rectangle: 31.572,11.506 34.392,12.852
  rectangle: 80.594,25.806 86.817,31.801
  rectangle: 15.113,13.335 17.501,18.415
  rectangle: 20.193,13.386 22.581,18.466
  rectangle: 15.24,27.305 17.628,32.385
  rectangle: 20.32,27.356 22.708,32.436
  rectangle: 15.265,39.294 17.653,44.374
  rectangle: 20.345,39.345 22.733,44.425
  rectangle: 15.24,52.299 17.628,57.379
  rectangle: 20.32,52.349 22.708,57.429
  rectangle: 20.345,64.973 22.733,70.053
  rectangle: 15.265,64.922 17.653,70.002
  rectangle: 59.284,79.248 62.23,80.696
  rectangle: 93.624,65.38 94.107,68.123
Bottom Solder:
  rectangle: 15.113,13.335 17.526,18.415
  rectangle: 20.168,13.437 22.555,18.44
  rectangle: 15.138,27.356 17.628,32.436
  rectangle: 20.269,27.457 22.657,32.461
  rectangle: 15.24,39.319 17.653,44.399
  rectangle: 20.295,39.421 22.682,44.425
  rectangle: 15.138,52.324 17.653,57.404
  rectangle: 20.295,52.426 22.682,57.429
  rectangle: 20.345,65.024 22.733,70.028
  rectangle: 15.291,64.922 17.704,70.002
  rectangle: 91.643,65.303 92.38,68.123
Mechanical 1:
  lines w0.1: 0,48 104,48
  lines w0.2: 113.662,-6.385 113.916,-6.131 ; 114.922,-6.248 115.288,-6.614
  lines w0.3: 48,0 48,83
  lines w0.5: 0,79 104,79 ; 15,-1 15,83 ; 99,0 99,83 ; 0,4 104,4 ; 0,4 104,4 ; 0,4 0,83 104,83 104,4
Mechanical 3:
  the board outline again, w1
Mechanical 7:
  lines w0.1: 0,0 0,100 104,100 104,0 0,0
  lines w0.2: 83,-4 83,2 ; 91,-4 91,1
Mechanical 8:
  lines w0.1: 0,0 104,0 104,82.956 0,82.956 0,0

## Dimensions
6,77 to 6,40 on Mechanical 1
6,5.6 to 99,70 on Mechanical 1
6,77 to 99,70 on Mechanical 1
0,83 to 6,77 on Mechanical 1
99,70 to 104,83 on Mechanical 1
0,0 to 0,83 on Mechanical 1
0,0 to 104,0 on Mechanical 1
6,77 to 0,83 on Mechanical 1
6,77 to 15,79 on Mechanical 1
15,79 to 6,77 on Mechanical 1
6,77 to 70,79 on Mechanical 1
6,77 to 99,79 on Mechanical 1
6,77 to 15,4 on Mechanical 1
6,5.6 to 71,4 on Mechanical 1

## Text inside footprints (layer, text, board x,y; h text height)
C77: Mechanical 7 "Tantal D" at 7.239,9.271 h1 r180
C133: Mechanical 8 "Tantal D" at 28.176,74.451 h0.9 r180
C134: Mechanical 8 "Tantal D" at 60.731,65.227 h0.9
C135: Mechanical 7 "Tantal D" at 28.481,75.263 h0.9
C136: Mechanical 7 "Tantal D" at 63.373,29.896 h0.9 r270
J1: Mechanical 7 "RJ-45" at 87.528,8.814 h2 r180; Mechanical 7 "J0011D01BNL" at 90.627,6.909 h2 r180
RECONF: Mechanical 7 "1-1825910-4" at 50.775,5.921 h0.9 r90; Mechanical 7 "Кнопка" at 52.121,7.216 h0.9 r90
RESET: Mechanical 7 "1-1825027-1" at 58.771,9.051 h0.9; Mechanical 7 "Кнопка" at 59.813,10.549 h0.9
U1: Top Overlay "*" at 84.415,64.396 h1.27 r270; Mechanical 1 "*" at 84.415,64.396 h1.27 r270
X1: Top Overlay "1" at 70.66,23.071 h1; Mechanical 7 "MHDR2x10" at 69.418,23.673 h1 r180; Mechanical 7 "PLLD-1.27-10R" at 63.703,23.673 h1 r180
X2: Top Overlay "1" at 50.851,35.458 h1.27 r180; Mechanical 7 "PLD-5R" at 47.701,35.585 h3 r180